# KiCad board FC_V5c.kicad_pcb (continued)
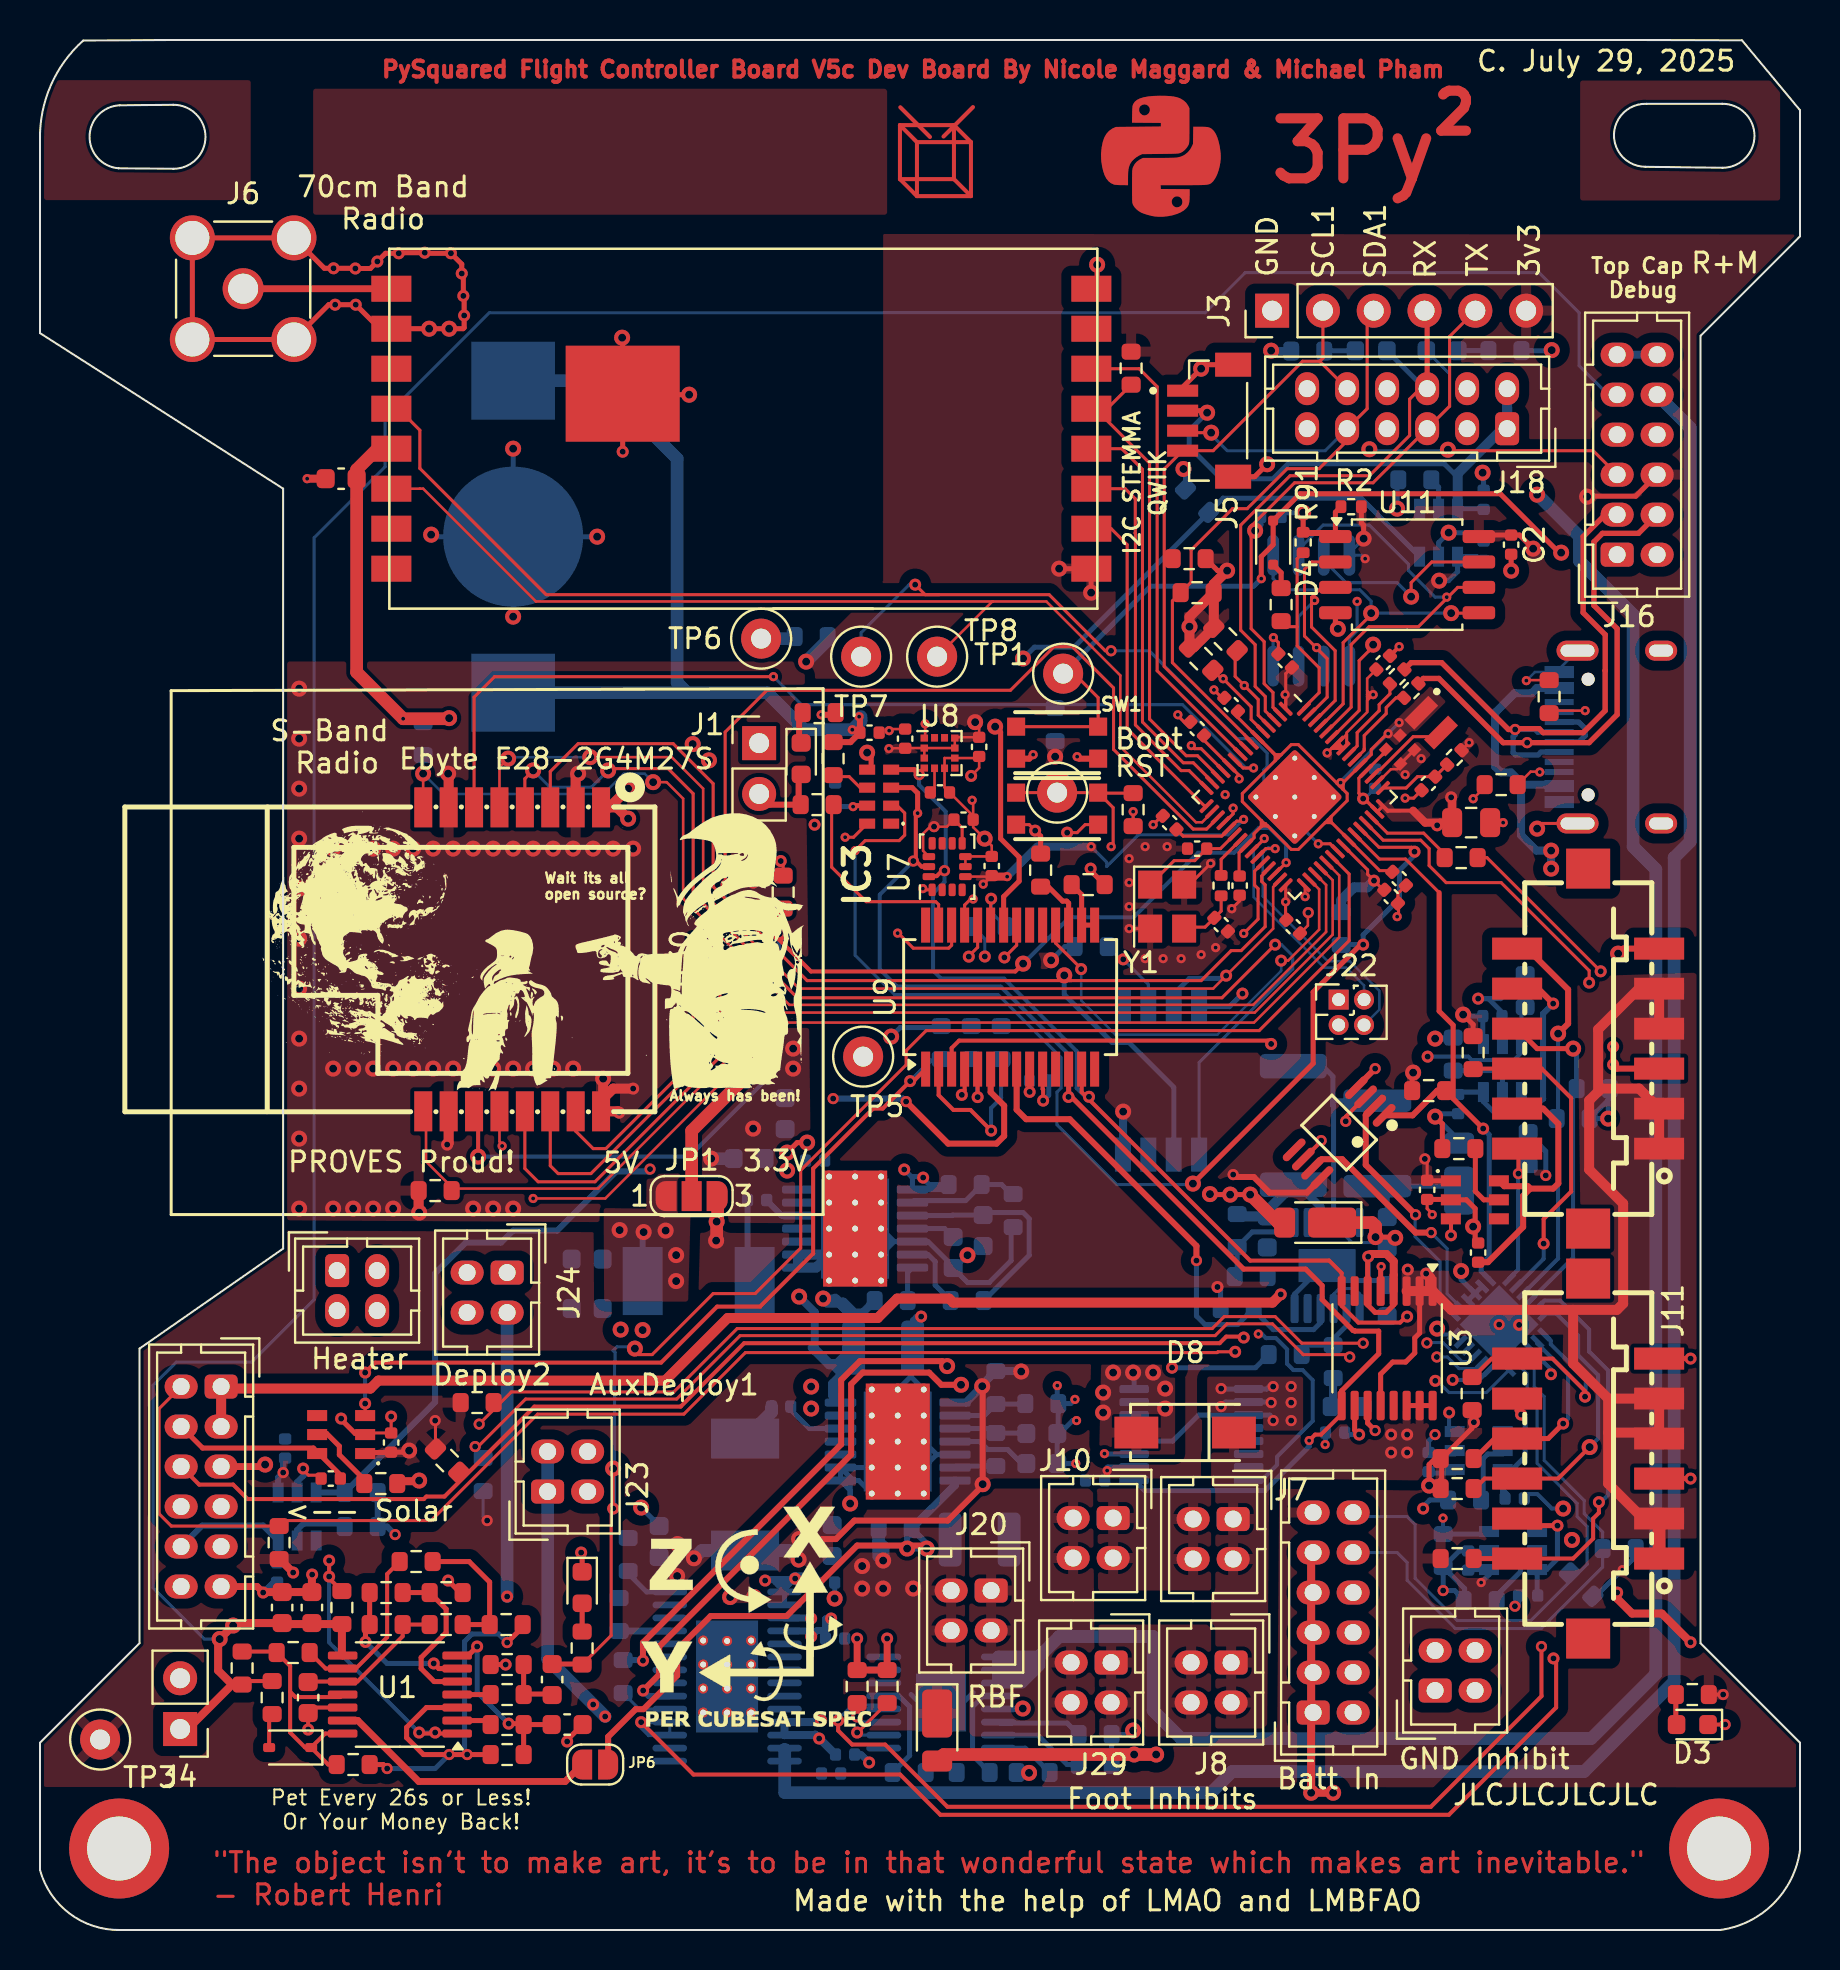
[diagram p0: board, top side]
## Routing (per net, layer and track width the routed paths; a pad name or vN(x,y) marks a point on that pad's centre or on a via; arc(x,y) is an arc through that point) (continued)
+1V1: length 38.6
  Top w0.152: 64.26,55.37 62.92,54.03 62.56,54.03 61.39,55.21 ; 64.26,55.37 64.41,55.52 ; 64.26,55.37 64.58,55.37 ; 61.06,55.17 61.21,55.33 ; 61.06,55.17 61.06,55.18 61.06,55.48 ; 61.06,55.17 61.09,55.21 61.39,55.21 ; 61.06,55.17 60.7,54.82 60.7,54.62 U18.23 59.95,53.87 59.95,52.73 ; 61.21,55.33 61.27,55.33 61.39,55.21 ; 61.21,55.33 61.06,55.48 ; 65.14,57.05 64.99,57.2 ; 65.14,57.05 65.16,57.07 65.16,57.37 ; 65.14,57.05 65.36,56.83 65.36,56.48 64.56,55.67 ; 64.99,57.2 64.84,57.35 ; 64.99,57.2 65.16,57.37 ; U18.6 61.76,58.77 61.76,58.47 ; U18.6 61.75,58.77 62.06,58.77 ; U18.6 59.9,60.63 C69.1 ; 62.06,58.77 61.91,58.62 ; 62.06,58.77 62.56,59.28 62.91,59.28 64.84,57.35 ; 64.56,55.37 64.56,55.67 ; 64.56,55.37 64.41,55.52 ; 64.56,55.37 64.58,55.37 ; 64.56,55.67 64.41,55.52 ; 64.84,57.35 64.86,57.37 65.16,57.37 ; 60.88,59.65 61.91,58.62 ; 61.91,58.62 61.76,58.47 ; 61.06,55.48 60.12,56.43 60.12,56.83 61.76,58.47 ; 65.16,57.37 66.02,58.23 ; v4(67.41,59.82) 67.32,59.74 67.27,59.74 66.56,59.03 66.56,58.78 U18.50 ; 67.56,52.97 66.98,52.97 U18.39 64.58,55.37
  Bottom w0.152: v4(65.03,57.37) 65.03,57.45 v4(67.41,59.82) v4(67.96,60.37)
+5V: length 15.1
  In2.Cu w0.25: v3(44.16,37.62) 44.03,37.62 43.88,37.77 43.47,37.77 v3(43.21,38.03)
  In2.Cu w0.635: TP5.1 41.16,42.18 43.21,40.12 v3(43.21,38.03)
  Bottom w0.25: 43.62,37.62 43.67,37.67 44.11,37.67 v3(44.16,37.62) 44.16,37.57 44.46,37.27 ; 43.62,37.62 U13.1 44.46,37.02 ; 43.62,37.62 v3(43.21,38.03) ; 44.46,37.27 R23.1 ; 44.46,37.27 44.46,37.02 ; 44.46,37.02 45.18,37.02
  Bottom w0.3: L5.2 30.13,34.85 v1(30.18,34.9)
  vias: v1(28.98,35) v1(29.03,30.02) v1(30.13,30) v1(31.28,34.97) v1(31.81,33.75) v1(31.81,32.45)
/Power Systems/3v3SW: length 2.1
  Bottom w0.635: L4.2 36.58,25.89 C27.1
/Power Systems/5vSW: length 4.2
  Bottom w0.3: C5.2 35.38,32.8 L5.1
/Power Systems/VBATT_SENSE: length 11
  Top w0.25: v1(60.51,36.77) v1(59.51,36.77) 58.52,36.77 v1(58.5,36.8)
  Top w0.635: v1(60.51,36.77) 61.91,35.37 D12.2
  Bottom w0.25: U26.16 54.71,27.82 v1(54.66,27.87)
  Bottom w0.4: 62.92,37.27 64.03,36.16 IC6.9
  Bottom w0.5: R75.1 61.37,35.97 C42.1 59.97,35.68
  vias: v1(53.16,26.87) v1(53.16,25.87) v1(53.66,27.87) v1(55.66,27.87) v1(56.26,27.07) v1(56.26,26.07)
GND: length 308.3
  Top w0.127: C33.2 42.54,60.05 v4(42.46,59.97) ; 67.89,58.05 67.55,58.05 66.86,57.36 ; v3(46.56,57.71) 46.96,58.11 C34.2 ; 46.28,53.68 C35.2 47.59,54.22 v1(47.23,54.57) 46.66,55.15 C32.2 46.66,56.44 v4(46.61,56.49) ; 45.23,58.6 U8.8 46.88,58.6 ; 45.23,58.61 U8.6 45.23,57.13 C31.2 46.66,55.7 ; 72.23,57.14 v4(71.66,56.57) ; 69.16,58.57 v4(69.06,58.57) ; C78.2 63.39,50.23 63.39,50.85 v2(63.41,50.87) ; U7.6 U7.7 ; R26.1 74.34,62.5 v4(74.32,62.48)
  Top w0.152: v4(68.26,56.6) 68.68,56.6 C68.2 ; v4(61.67,64.63) 61.92,64.38 C73.2 ; SW2.B' 49.46,55.27 v3(49.76,54.97) ; 67.93,51.27 67.93,50.74 v4(67.86,50.67) ; v3(13.16,23.07) 13.16,23.01 13.42,22.74 14.06,22.74 ; v3(17.56,25.67) C50.2 16.28,24.85 ; C67.2 67.9,51.83 C77.2 ; J12.S1 75.12,55.33 v1(74.86,55.07) ; 59.1,61.61 v4(58.7,62.01) ; v4(59.59,51.07) 59.98,51.46 C70.2 ; v3(51.36,54.87) 51.86,54.87 52.26,55.27 SW2.B ; 56.1,55.71 v4(55.66,55.27) ; C38.2 69.36,36.07 69.61,35.82 v4(69.61,35.77) ; C65.2 C66.2 ; Y1.2 v4(54.46,50.07) ; C72.2 57.2,60.41 56.89,60.72 v4(56.89,60.77) ; 57.73,52.35 57.73,52.54 v4(58.53,53.34)
  Top w0.2: v3(13.41,10.02) C24.1 ; v3(50.16,41.47) 50.16,42.02 50.13,42.05 U9.10 ; C74.2 v4(67.96,64.17) ; 13.68,11.12 U1.12 ; v2(84.26,10.27) D3.1
  Top w0.25: v3(52.53,53.07) 52.53,52.97 R24.1 ; C44.2 71.76,34.5 71.76,35.07 v1(71.66,35.17) 71.76,35.27 71.76,36.07 71.32,36.51 70.54,36.51 ; 21.01,16.87 v3(20.41,17.47) ; v1(64.89,65.07) 64.89,65.26 64.77,65.39 U11.4 ; v1(52.86,83.27) 52.86,82.36 ; J5.S2 60.74,72.67 v1(61.36,73.3) ; C21.1 26.36,9.5 v3(26.36,9.42) ; J11.11 v3(82.53,28.57) ; 29.09,76.77 v1(32.46,76.77) ; R52.1 50.03,54.7 v3(49.76,54.97) ; v1(41.36,58.87) 41.56,58.67 41.56,58.02 ; C2.2 v1(73.56,67.97) ; 16.26,24.83 15.76,24.83 15.06,25.53 v3(15.06,25.57) ; v3(66.41,33.67) 66.38,33.65 U3.6 66.38,31.26 66.75,30.89 67.31,30.89 67.68,31.26 U3.4 ; 70.12,38.91 70.12,40.31 v1(69.76,40.67) ; R22.2 v3(23.28,13.27) ; 69.24,36.53 70.52,36.53 ; 16.99,80.07 v3(15.79,81.27) v3(14.76,81.27) 14.44,81.27 J6.2 J6.2 J6.2 J6.2 14.22,83.09 v3(14.68,83.09) 15.76,83.09 v3(15.77,83.08) 16.52,83.08 v3(16.87,83.43) 17.28,83.84 v3(17.94,83.84) 17.97,83.87 v3(19.24,83.87) 19.27,83.84 v3(20.55,83.84) 21.09,83.3 v3(21.09,82.83) 21.17,82.75 v3(21.17,81.71) 21.21,81.67 v3(21.21,80.73) 21.21,80.12 21.16,80.07 v1(20.46,80.07) v1(19.46,80.07) 17.57,80.07 ; D6.1 27.11,18.82 v3(27.06,18.87) ; U3.11 66.38,25.35 v2(66.76,24.97) ; 57.13,77.15 v1(58.06,78.07) 58.26,78.27 J5.S1 ; v1(29.11,79.62) 29.13,79.6 U4.17 v3(29.13,73.92) ; J11.5 v3(82.53,22.57)
  Top w0.3: v2(66.76,43.07) 65.82,42.14 U14.4 ; v4(49.66,58.77) 49.46,58.57 SW1.B' ; SW1.B 51.96,58.57 v4(51.86,58.67) ; J2.11 79.16,49.07 v1(78.91,48.82) ; J2.5 78.86,43.07 v3(78.66,43.27) v3(78.66,44.17) ; v4(39.06,60.77) 39.68,60.77 R12.2
  Top w0.342: v3(42.36,14.57) 42.36,13 40.86,13 v3(40.86,14.57) ; J17.11 10.86,17.17 v3(11.16,16.87) ; v1(11.26,23.27) 11.16,23.17 J17.5
  Top w0.4: v3(66.41,33.67) 66.54,33.81 67.32,33.81 67.69,33.44 67.69,32.75 67.68,32.75 U3.4 ; v3(82.53,14.39) 81.09,15.82 79.61,15.82 78.86,16.57 78.86,16.87 v3(78.86,16.87) ; v4(73.16,55.37) C75.2 ; 17.86,22.44 18.92,22.44 v1(18.96,22.47) ; v3(11.16,16.87) 11.18,16.9 C23.1 C22.1 13.59,17.76 v3(13.61,17.77) ; C14.1 v4(13.36,72.57)
  Top w0.5: v1(18.96,35.87) 18.93,35.9 R95.2 ; v1(26.91,57.82) 26.78,57.7 U30.2 ; v1(20.41,57.82) 20.43,57.8 U30.7 ; U30.10 20.43,39.35 v3(20.36,39.27) ; 28.05,41.47 28.66,42.07 v3(29.66,42.07) ; v3(28.96,40.87) 28.89,40.94 U30.16 ; v1(28.16,42.57) 28.16,41.04
  In1.Cu w0.152: U18.61 59.38,56.66 v4(59.26,56.77)
  In1.Cu w0.4: U18.61 62.66,56.73 59.3,56.73 v4(59.26,56.77) ; U18.61 61.37,55.68 59.02,53.34 v4(58.53,53.34)
  Bottom w0.127: 75.96,63.06 J12.S1 ; J12.A1 74.75,62.9 v4(74.32,62.48)
  Bottom w0.152: 61.66,63.6 U5.4 61.66,64.62 v4(61.67,64.63)
  Bottom w0.2: v1(76.16,21.07) 75.59,21.07 74.87,21.8 74.21,21.8 ; 73.31,30.27 U12.9 75.55,28.04 v3(75.55,27.79)
  Bottom w0.25: BT1.3 19.66,69.67 v1(19.56,69.77) ; BT1.3 v1(27.86,69.67) ; BT1.3 v1(23.66,65.67) ; BT1.3 v1(23.66,74.07) ; v1(39.73,16.57) 39.74,16.58 C58.2 ; C15.1 30.96,20.22 v1(30.06,21.12) ; U10.5 44.84,23.77 ; 44.84,23.77 U10.15 ; 44.84,23.77 U10.15 ; U10.8 40.94,22.47 U10.15 ; U10.8 U10.9 ; U10.8 40.51,21.99 v1(40.51,21.33) 40.51,22.64 U10.9 ; v1(49.45,7.86) 49.43,7.87 R55.2 ; U10.9 U10.15 ; v3(44.06,30.67) 43.81,30.67 43.63,30.5 C19.2 ; v3(60.12,46.83) 59.47,46.17 U2.4 ; 70.73,23.8 69.51,23.8 ; U13.5 41.41,34.42 ; U13.5 42.71,34.42 ; U13.5 44.41,34.42 45.66,33.17 ; 48.56,35.15 48.56,33.47 47.46,32.37 46.38,32.37 C9.1 ; U10.15 43.56,27.65 43.56,29.12 43.56,27.7 U10.15 ; IC6.6 62.73,31.8 64.16,33.22 ; v4(51.75,26.53) 51.54,26.32 R40.1 50.91,24.87 ; v1(54.66,9.97) 54.46,9.77 R85.1 R82.1 ; 78.76,48.97 v1(78.91,48.82) ; 42.71,34.42 U13.15 ; 42.71,34.42 U13.15 ; v4(53.22,23.82) 53.24,23.8 54.71,23.8 ; v4(50.86,27.22) 50.86,26.37 ; v1(72.13,72.87) 72.18,72.82 C80.2 ; C79.2 71.76,69.87 v1(70.43,69.87) 69.93,69.37 U29.2 ; 73.12,45.68 73.12,44.3 ; R76.1 70.96,18.95 C49.2 72.44,18.95 ; R76.1 71.23,17.07 71.23,16.47 70.73,16.97 v2(70.16,16.97) R76.1 ; v4(51.79,23.32) C36.2 C37.2 ; C39.2 50.44,41.74 50.17,41.47 v3(50.16,41.47) ; R79.1 57.27,72.96 v1(57.17,73.06) ; v4(64.26,24.27) 64.28,24.29 C29.1 ; C47.2 73.1,45.89 72.42,46.57 v3(71.91,46.57) 73.03,46.57 74.26,47.8 ; v2(73.75,16.19) 73.87,16.19 73.93,16.24 C51.2 ; R4.2 75.56,78.97 v1(75.58,79) ; v3(66.41,33.67) 66.41,32.53 66.36,32.48 ; R69.1 60.78,28.12 v3(56.6,28.12) ; 70.96,39.47 v1(69.76,40.67) 69.9,40.82 71.02,40.82 ; v1(67.86,71.07) 67.86,72.46 ; 45.38,45.12 43.01,45.12 v1(42.56,44.67) ; IC6.13 65.1,32.48 66.36,32.48 ; v4(51.83,25.47) 51.63,25.47 50.98,24.82 ; v2(69.75,24.77) 69.43,24.45 C53.2 ; 66.36,32.48 67.13,32.48 C40.2 ; v3(69.16,21.07) 69.16,21.17 69.48,21.5 R49.1 ; 45.73,33.1 v1(46.37,33.74)
  Bottom w0.3: v3(11.16,16.87) 11.68,17.39 C60.2 ; v3(13.16,23.07) 13.18,23.05 13.18,22.73 12.86,22.4 U27.2 ; v1(69.76,44.57) 70.67,44.57 ; v2(17.76,19.77) 17.36,20.17 R86.1 R87.1
  Bottom w0.342: v3(41.46,8.37) 41.06,8.77 C56.2
  Bottom w0.4: J16.11 J16.12 ; v1(61.56,78.97) 61.58,78.95 R3.2
  Bottom w0.5: U13.15 38.81,33.12 U13.8 U13.9 U13.15
  Bottom w0.635: C3.2 v1(33.56,38.57)
  vias: v1(12.96,62.07) v1(12.96,59.57) v1(12.96,57.07) v1(12.96,54.57) v1(12.96,52.07) v1(12.96,49.57) v1(12.96,47.07) v1(12.96,44.57) v1(12.96,42.07) v1(12.96,39.57) v1(12.96,36.07) v1(14.66,54.07) v1(14.66,43.07) v1(14.66,36.07) v1(15.66,54.07) v1(15.66,43.07) v1(15.66,36.07) v1(16.66,54.07) v1(16.66,43.07) v1(16.66,36.07) v1(17.66,54.07) v1(17.66,43.07) v1(17.66,36.07) v1(18.66,54.07) v1(18.66,43.07) v1(19.66,54.07) v1(19.66,43.07) v1(20.66,54.07) v1(20.66,43.07) v1(21.66,54.07) v1(21.66,43.07) v1(21.66,36.07) v1(22.66,54.07) v1(22.66,43.07) v1(22.66,36.07) v1(23.66,54.07) v1(23.66,43.07) v1(23.66,36.07) v1(24.66,54.07) v1(24.66,43.07) v1(25.66,54.07) v1(25.66,43.07) v1(26.66,54.07) v1(26.66,43.07) v1(27.66,54.07) v1(28.66,54.07) v1(29.66,54.07) v1(35.66,40.07) v1(37.66,44.07) v1(37.66,43.07) v1(76.6,19.5) v2(72.96,30.27) v3(35.66,54.97) v3(35.66,53.57) v3(35.66,52.37) v3(38.73,55.27) v3(73.96,30.26) v4(54.46,53.57) v4(54.46,52.37) v4(54.46,51.17) v4(55.26,54.17) v4(55.26,48.57) v4(56.16,48.57) v4(56.36,54.17) v4(57.06,48.57) v4(58.06,48.77) v4(58.78,49.12) v4(68.26,57.77)
VBUS: length 93.4
  Top w0.635: D15.2 45.18,8.77 v1(55.81,8.77)
  In2.Cu w0.635: v1(75.56,53.97) 75.56,48.12 77.12,46.56 77.8,46.56 79.76,44.59 79.76,38.17 78.76,37.17 78.76,20.08 74.28,15.59 74.28,12.29 70.76,8.77 v1(55.81,8.77) v1(54.71,8.77)
  Bottom w0.4: v1(75.56,53.07) v1(75.56,53.97) 74.82,53.97 74.06,54.74 74.06,57.17 74.16,57.27 ; J12.A4 74.84,62.1 74.58,61.85 73.73,61.85 72.76,60.87 72.76,58.17 73.05,57.88 73.55,57.88 74.16,57.27 ; 74.16,57.27 75.89,57.27
VBUSP: length 103.6
  Top w0.25: v1(38.36,39.37) 37.86,39.37 v1(37.36,38.87) ; R30.1 v2(20.46,8.77) 19.17,8.77 18.33,9.62 18.33,10.13 19.32,11.12 U1.3 ; v2(23.36,14.37) 24.13,15.15 R16.1 ; R36.2 17.16,8.27 v2(17.36,8.07)
  In2.Cu w0.4: 37.96,31.67 38.05,31.57 v1(39.16,31.57)
  In2.Cu w0.5: 40.91,19.32 40.46,19.77 40.46,20.07 39.66,20.87 39.66,29.87 ; 40.91,19.32 40.96,19.27 40.96,18.87 41.11,18.72 v1(41.11,18.2) 41.68,18.77 41.86,18.77 v1(42.16,18.47) ; 40.91,19.32 40.96,19.37 ; 39.66,29.87 39.96,30.17 39.96,30.77 v1(39.16,31.57) ; 39.66,29.87 39.66,29.97 37.96,31.67 v1(37.96,31.67) 37.95,31.67 37.36,32.27 v1(37.36,38.87)
  In2.Cu w0.635: J20.4 42.76,12.17 42.76,8.52 41.8,7.56 36.08,7.56 35.96,7.67 22.46,7.67 v2(21.36,8.77)
  Bottom w0.25: 43.96,11.37 43.56,11.77 ; v2(23.36,14.37) 22.93,14.8 21.6,14.8 21.23,14.43 21.23,8.9 v2(21.36,8.77) v2(20.46,8.77) 19.76,8.07 v2(17.36,8.07) ; 46.16,11.37 46.66,11.87
  Bottom w0.4: v1(39.16,31.57) 39.76,31.57 40.46,30.87 41.13,30.87 R125.1 ; v1(37.96,31.67) 38.74,30.89 38.74,29.23
  Bottom w0.5: 40.03,27.68 39.66,27.31 39.66,26.74 U10.14 ; 40.03,27.68 40.03,27.92 39.66,28.29 ; 40.03,27.68 40.66,28.31 40.66,30.67 39.76,31.57 ; 38.63,29.12 39.47,28.29 39.66,28.29 ; 39.66,28.29 39.85,28.29 C19.1 40.68,30.85 40.16,31.37 39.36,31.37 v1(39.16,31.57)
  Bottom w0.635: v1(42.16,18.47) 42.16,19.15 41.93,19.37 ; 41.93,19.37 R124.1 ; 41.93,19.37 41.93,18.7
  vias: v1(37.36,37.97) v1(38.56,27.17) v1(38.56,26.07) v1(41.11,17.07) v1(42.16,17.07) v1(43.66,17.07)
/Power Systems/Load Switches/Deploy1_EN: length 102.8
  Top w0.152: R104.1 72.35,53.62 v3(78.03,47.94)
  Top w0.2: v3(30.06,10.39) 32.68,7.77 43.01,7.77 45.02,5.76 70.44,5.76 75.81,11.12 75.81,13.45 v3(75.67,13.58)
  In2.Cu w0.152: v3(78.03,47.94) 81.26,44.72 81.26,38.08 80.18,37 80.18,19.8 75.81,15.42 75.81,13.71 v3(75.67,13.58)
  Bottom w0.152: U6.4 U6.3
  Bottom w0.2: 31.48,10.39 v3(30.06,10.39) 30.06,10.12 30.44,9.74 U6.3
/Power Systems/Load Switches/Deploy2_EN: length 52.9
  Top w0.3: v3(30.16,11.97) 30.96,12.77 30.96,14.17 40.56,23.77 40.56,27.3 41.14,27.87 44.46,27.87 45.07,27.26 v1(46.05,27.26)
  In2.Cu w0.152: v3(47.24,48.68) 47.24,48.69 46.68,49.25 46.2,49.25 45.1,48.15 45.1,38.83 45.51,38.42 45.51,33.37 46.05,32.83 v1(46.05,27.26)
  Bottom w0.152: v3(47.24,48.68) 47.24,49.57 R103.1
  Bottom w0.3: U6.6 30.44,11.69 v3(30.16,11.97)
/Power Systems/Load Switches/Heater_EN: length 2.7
  Bottom w0.152: R100.1 29.96,11.04 U6.5
/Power Systems/Load Switches/ILIM1: length 5.2
  Bottom w0.25: U25.5 42.94,11.7 43.48,11.17 43.48,8.72 R84.2
/Power Systems/Load Switches/ILIM2: length 5.2
  Bottom w0.25: R83.2 46.63,8.72 46.63,11.17 47.17,11.7 U25.12
/Power Systems/V_SYS: length 4.4
  Top w0.25: U3.16 68.33,26.22
  Top w0.4: 67.63,24.7 v3(67.56,24.77)
  Bottom w0.152: IC6.1 65.98,31.82 65.72,32.07 64.96,32.07 64.68,31.8 IC6.3
  vias: v3(67.56,23.87) v3(68.36,24.77) v3(68.36,23.87)
/RF1_ANT: length 7.4
  Top w0.342: U4.1 10.16,82.07
/RP2350AHHHHHHHHH/FLASH_SS: length 5.4
  Top w0.25: U11.1 64.77,70.9 R2.2 ; R91.2 v1(63.16,70.87)
  Top w0.3: 64.96,69.86 63.28,69.86
  Bottom w0.25: v1(63.16,70.87) 62.27,70.87 R9.2
/RP2350AHHHHHHHHH/PSRAM_CS: length 17.1
  Top w0.152: U18.12 58.06,59.07 57.72,59.07 v4(57.56,59.23)
  In2.Cu w0.152: v4(57.56,59.23) 58.21,59.23 63.68,64.69 63.68,65.25 64.86,66.44 v4(65.86,66.44)
  Bottom w0.152: v4(65.86,66.44) 65.86,64.97 65.46,64.57 65.47,64.56 U5.1
/RP2350AHHHHHHHHH/QSPI_SCLK: length 22.3
  Top w0.152: U11.6 70.89,67.14 68.92,65.17 66.46,65.17 65.56,64.27 65.56,61.15 64.31,59.9
  Bottom w0.152: U5.6 62.93,69.02 64.16,70.25 66.46,70.25 68.43,68.29 68.43,67.98 69.75,66.65 v4(70.34,66.65)
/RP2350AHHHHHHHHH/QSPI_SD0: length 19.2
  Top w0.152: 64.03,60.19 65.16,61.31 65.16,64.37 66.56,65.77 v1(66.56,65.85) ; v1(70.56,65.85) 71.93,65.85
  Bottom w0.152: v1(70.56,65.85) v1(66.56,65.85) 66.56,66.45 65.99,67.02 62.21,67.02 61.66,67.57 U5.5
/RP2350AHHHHHHHHH/QSPI_SD1: length 10.9
  Top w0.152: 63.46,60.75 64.36,61.65 64.36,63.57 63.22,64.71 63.22,68.04 63.59,68.41 U11.2
  Bottom w0.152: v4(63.83,64.13) 64.19,63.77 U5.2
/RP2350AHHHHHHHHH/QSPI_SD2: length 11.6
  Top w0.152: 63.59,66.64 63.59,66.62 v4(63.73,66.48) ; 63.59,66.64 64.09,67.14 ; 63.59,66.64 63.58,66.63 63.58,65.15 64.76,63.97 64.76,61.48 63.74,60.47
  Bottom w0.152: U5.3 62.93,65.68 v4(63.73,66.48)
/RP2350AHHHHHHHHH/QSPI_SD3: length 18.6
  Top w0.152: U11.7 69.59,68.41 68.56,67.37 v1(68.56,66.67) ; v1(66.66,64.27) 66.43,64.05 66.43,63.95 65.96,63.47 65.96,60.98 64.59,59.62
  In2.Cu w0.152: v1(68.56,66.67) 68.56,66.17 v1(66.66,64.27)
  Bottom w0.152: v1(68.56,66.67) 67.86,67.37 65.3,67.37 64.19,68.49 U5.7
/RP2350AHHHHHHHHH/VREG_AVDD: length 3.7
  Top w0.152: U18.46 68.31,57.11 68.87,57.67 C68.1 R94.2
/RP2350AHHHHHHHHH/VREG_LX: length 4.1
  Top w0.152: 69.85,59.67 68.66,59.67 67.01,58.03 66.94,58.03 U18.48
/RP2350AHHHHHHHHH/XIN: length 5
  Top w0.152: U18.21 59.03,54.07 C63.1 57.74,53.47 56.71,53.47 56.03,52.8 56.03,52.35
/RP2350AHHHHHHHHH/XOUT: length 2.2
  Top w0.152: U18.22 59.06,53.54 R93.1
/Watchdog Circuit/WDT-VP: length 8.1
  Top w0.25: U1.5 19.71,12.42 19.06,13.07 19.06,13.62 20.31,14.87 20.31,16.05 19.48,16.87 R19.2
BATT_SCL: length 28.2
  Bottom w0.152: U12.11 74.36,27.81 74.36,26.97 74.86,26.47 74.86,23.33 76.86,21.33 76.86,20.67 77.36,20.17 77.36,18.29 74.54,15.47 70.87,15.47 68.76,17.59 68.76,20.27 68.36,20.67 65.86,20.67 J14.12
BATT_SDA: length 28.1
  Bottom w0.152: J14.10 67.86,18.87 68.36,18.37 68.36,17.49 70.77,15.07 75.06,15.07 78.13,18.15 78.13,19.9 77.21,20.82 77.21,21.48 75.21,23.48 75.21,26.67 74.71,27.17 74.71,28.17 U12.10
BOOTSEL: length 9.2
  Top w0.152: 62.86,65.17 62.86,68.57 R91.1 ; 62.86,65.17 62.33,65.17 ; 62.86,65.17 62.86,64.22 63.96,63.12 63.96,61.87 63.19,61.11 U18.60
DEPLOY1: length 114.3
  Bottom w0.635: 37.23,9.03 37.24,9.03 37.24,6.87 58.56,6.87 59.61,7.92 77.21,7.92 81.71,12.43 81.71,53.63 82.51,54.43 82.51,75.12 J16.10
DEPLOY1_AUX: length 33.1
  In2.Cu w0.4: v3(38.96,9.57) 38.96,10.37 v3(39.06,10.47)
  In2.Cu w0.635: v3(27.66,11.27) 29.36,9.57 v3(38.96,9.57)
  Bottom w0.4: 38.76,9.77 v3(38.96,9.57) ; v3(38.96,9.57) 38.79,9.74 U6.26 U6.25 38.74,10.39 38.82,10.47 v3(39.06,10.47) ; v3(38.96,9.57) 38.98,9.57 C56.1
  Bottom w0.635: v3(28.26,10.67) v3(27.66,11.27) 25.38,13.55 J23.3
DEPLOY2: length 39.8
  In2.Cu w0.342: v3(39.56,15.57) v3(38.56,15.57) v3(38.56,14.67)
  In2.Cu w0.635: J24.1 J24.3 ; v3(23.36,16.67) 24.36,15.67 39.46,15.67 v3(39.56,15.57)
  Bottom w0.342: C57.1 39.28,14.97 ; 39.28,14.97 39.28,15.55 39.3,15.57 v3(39.56,15.57) ; 39.28,14.97 38.86,14.97 v3(38.56,14.67) 38.56,14.93 38.54,14.95 U6.18 ; v3(38.56,15.57) 38.53,15.6 U6.17
  Bottom w0.635: v3(23.36,16.67) J24.3
Dir_Chrg_In: length 107.6
  Top w0.4: v1(64.66,6.86) v1(63.56,6.86) 63.56,18.77 J14.9
  In2.Cu w0.4: v1(63.56,6.86) 69.95,6.86 80.66,17.57 80.66,36.81 81.84,37.99 81.84,52.97 79.81,55.01 79.81,65.42 82.08,67.7 82.08,73.55 J16.8
  Bottom w0.25: v2(61.66,27.17) 61.46,27.17 61.33,27.05 U26.1 59.18,27.05 59.16,27.07 v2(59.06,27.07) ; v2(61.56,26.37) 61.53,26.4 U26.2 59.28,26.4 v2(59.06,26.17) ; v2(61.66,25.47) 61.66,25.57 61.48,25.75 U26.3 57.93,25.75 56.63,24.45 U26.12
  vias: v2(62.56,27.17) v2(62.56,26.37) v2(62.56,25.47)
ENABLE_Heater: length 51.7
  Top w0.152: 48.83,50.25 48.83,49.24 v3(48.22,48.63)
  Top w0.3: v1(45.36,28.2) 45.11,28.45 41,28.45 40.06,27.5 40.06,24.28 30.15,14.37 v3(30.15,13.47)
  In2.Cu w0.152: v1(45.36,28.2) 45.36,32.77 44.98,33.15 44.98,38.45 44.71,38.72 44.71,48.42 45.89,49.6 47.25,49.6 v3(48.22,48.63)
  Bottom w0.3: v3(30.15,13.47) 30.12,13.5 29.16,13.5
F0_PWR: length 13.6
  Top w0.3: 74.51,37.07 75.66,37.07 75.92,37.33 75.92,40.31 75.16,41.07 J2.4 ; 74.51,37.07 74.39,37.19 73.21,37.19 U19.6 ; 74.51,37.07 74.16,36.72 74.16,35.15 72.4,33.39 C44.1
F0_SCL: length 16
  Top w0.2: v3(75.18,34.32) 75.18,35.55 76.56,36.93 76.56,41.6 75.08,43.07 J2.6 71.68,43.07
  Bottom w0.2: v3(75.18,34.32) 75.18,33.56 U12.2
F0_SDA: length 7.9
  Top w0.2: v2(73.92,37.82) 73.92,39.01
  Bottom w0.2: v2(73.92,37.82) 73.92,37.99 73.99,38.06 74.41,38.06 ; R62.1 73.91,37.75 73.91,33.02 73.45,32.57
F1_PWR: length 11.7
  Top w0.3: 74.91,47.07 v3(75.66,46.32)
  Bottom w0.152: U21.6 72.17,41.46
  Bottom w0.25: 72.17,41.9 71.14,41.9 71.02,41.78 ; U21.6 72.17,41.42 72.74,40.85 74.45,40.85 75.16,41.56
  Bottom w0.3: 75.16,41.56 75.16,45.82 v3(75.66,46.32)
F1_SCL: length 16.6
  Top w0.25: v1(76.66,44.07) 74.86,44.07 J2.8
  Bottom w0.2: 76.66,41.9 76.66,33.62 U12.4
  Bottom w0.25: R45.1 76.83,43.9 v1(76.66,44.07)
F1_SDA: length 19
  Top w0.3: v1(75.91,44.82) 76.41,45.32 76.41,47.03 74.36,49.07
  Bottom w0.2: U12.3 75.91,33.58 v1(75.91,44.82)
F2_PWR: length 5.8
  Top w0.25: v3(75.87,20.22) 74.21,20.22
  Bottom w0.25: v3(75.87,20.22) 75.87,18.56 75.33,18.02 U22.6 74.86,16.75
F2_SCL: length 14.9
  Top w0.2: v1(77.48,24.15) 75.91,22.57 J11.6 72.23,22.57 71.73,22.07
  Bottom w0.2: 75.28,30.82 75.81,30.82 76.91,29.72 76.91,28.75 77.91,27.75 77.91,24.57 v1(77.48,24.15)
F2_SDA: length 20.9
  Top w0.2: J11.2 76.66,18.57 77.66,19.57 77.66,20.57 77.94,20.86 v3(77.94,21.39)
  Top w0.25: 71.73,18.57 J11.2
  Bottom w0.2: v3(77.94,21.39) 78.04,21.39 78.41,21.76 78.41,27.97 77.46,28.92 77.46,30.02 76.01,31.48 75.22,31.48 U12.5
F3_PWR: length 5.9
  Top w0.25: v3(74.06,25.77) 73.86,25.97 J11.10
  Bottom w0.25: 73.13,22.02 73.35,21.8 ; 73.25,21.8 73.13,21.92 73.13,22.85 73.43,22.85 74.26,23.67 74.26,25.57 v3(74.06,25.77)
F3_SCL: length 8.9
  Top w0.25: J11.8 75.41,24.57 v3(76.16,25.32) ; 72.73,24.57 71.73,23.57
  Bottom w0.2: v3(76.16,25.32) 76.41,25.57 76.41,27.78 74.87,29.32 U12.8
F3_SDA: length 10.9
  Top w0.2: 71.66,27.65 72.58,28.57 J11.12 75.63,28.57 77.25,26.95 v3(77.25,26.67)
  Bottom w0.2: U12.7 75.54,29.46 75.54,29.29 77.29,27.55 77.29,26.7 v3(77.25,26.67)
F4_PWR: length 9
  Top w0.25: 15.02,22.75 13.67,24.1 8.13,24.1 J17.4
F4_SCL: length 70.6
  Top w0.2: v3(60.19,29.63) 60.14,29.67 59.31,29.67 58.98,29.34 35.21,29.34 32.04,26.17 24.72,26.17 20.22,21.67 19.32,21.67 19.19,21.55 10.38,21.55 9.66,22.27 7.96,22.27 J17.6
  In2.Cu w0.2: v3(60.19,29.63) 60.54,29.27 63.96,29.27 65.16,28.07 70.06,28.07 70.62,27.51 v3(70.63,27.51)
  Bottom w0.2: U12.13 71.96,27.51 v3(70.63,27.51) 70.63,27.5
F4_SDA: length 79.5
  Top w0.152: v3(59.76,28.91) 58.9,28.91 58.86,28.87 35.27,28.87 32.19,25.8 24.88,25.8 19.56,20.47 12.23,20.47 R58.1 6.57,20.2 5.95,20.81 5.95,26.07 J17.2
  In2.Cu w0.152: v3(59.76,28.91) 59.98,28.69 63.9,28.69 65,27.59 69.64,27.59 v3(69.77,27.46)
  Bottom w0.152: v3(69.77,27.46) 69.87,27.46 69.88,27.45 69.88,27.44 70.22,27.1 70.23,27.1 70.45,26.87 72.32,26.87 U12.12
F5_PWR: length 6.7
  Bottom w0.3: J17.10 8.11,20.22 11.16,20.22 U27.6 11.91,18.4 C60.1
F5_SCL: length 75.2
  Top w0.152: v2(66.16,29.34) 63.09,29.34 61.76,30.67 59.21,30.67 58.61,30.08 34.86,30.08 31.69,26.91 23.57,26.91 v2(21.96,25.3)
  In2.Cu w0.152: J17.12 7.93,16.3 17.38,16.3 22.31,21.23 22.31,24.94 v2(21.96,25.3) ; v2(66.16,29.34) 66.56,29.34 66.85,29.05 69.04,29.05 v2(69.34,29.36)
  Bottom w0.152: U12.15 71.46,28.43 71.1,28.43 70.15,29.37 69.36,29.37 v2(69.34,29.36)
F5_SDA: length 79.3
  Top w0.152: v2(21.76,24.17) 21.9,24.17 24.28,26.55 31.83,26.55 35,29.72 58.76,29.72 59.35,30.31 61.62,30.31 63.16,28.77 65.37,28.77 v2(65.49,28.65)
  In2.Cu w0.152: v2(21.76,24.17) 21.76,21.17 17.36,16.77 12.56,16.77 11.16,18.17 6.36,18.17 5.76,18.77 5.76,19.87 J17.8 ; v2(69.84,28.65) v2(65.49,28.65)
  Bottom w0.152: v2(69.84,28.65) 70.37,28.65 70.95,28.07 71.82,28.07 U12.14 ; R73.1 22.16,23.77 v2(21.76,24.17)
FACE0_ENABLE: length 36.5
  Top w0.2: v3(47.56,39.97) 46.52,41.01 45.67,41.01 44.93,41.75 U9.2 ; v3(70.55,34.74) 70.55,35.55
  In2.Cu w0.2: v3(70.55,34.74) 70.55,35.63 69.68,36.51 68.7,36.51 67.76,35.57 51.67,35.57 48.94,38.3 48.07,38.3 47.46,38.92 47.46,39.87 v3(47.56,39.97)
  Bottom w0.2: R67.2 48.06,41.61 47.56,41.11 v3(47.56,39.97)
FACE1_ENABLE: length 32.3
  Top w0.2: U9.3 45.58,44.1 45.95,44.47 61.39,44.47 v3(61.56,44.31)
  In2.Cu w0.2: v3(69.38,43.67) 62.22,43.67 61.59,44.31 v3(61.56,44.31)
  Bottom w0.2: v3(69.38,43.67) 71.42,43.67 71.59,43.5 73.7,43.5 74.07,43.87 74.07,45.96
FACE2_ENABLE: length 42.2
  Top w0.2: v3(46.09,41.76) 46.09,41.86 46.23,42.01 U9.4
  In2.Cu w0.2: v4(70.15,20.6) 70.56,21 70.56,24.92 68.81,26.67 64.26,26.67 63.16,27.78 57.79,27.78 52.64,32.93 52.64,33.47 48.6,37.5 47.58,37.5 46.36,38.72 46.36,41.24 46.09,41.51 v3(46.09,41.76)
  Bottom w0.2: v4(70.15,20.6) 70.15,19.81
  Bottom w0.25: 70.16,19.8 72.33,19.8
FACE3_ENABLE: length 36.3
  Top w0.2: U9.5 v3(46.88,41.65)
  In2.Cu w0.2: v3(46.88,41.65) 46.86,41.62 46.86,38.95 47.91,37.9 48.77,37.9 52.62,34.05 53.5,34.05 54.31,33.25 54.31,32.52 58.52,28.31 63.74,28.31 64.98,27.07 69.26,27.07 v3(70.46,25.87)
  Bottom w0.2: v3(70.46,25.87) 70.46,25.02 ; 46.86,43.5 46.86,41.67 v3(46.88,41.65)
FACE4_ENABLE: length 41.2
  Top w0.152: v3(16.26,26.32) 16.26,25.78
  Top w0.2: U9.1 43.68,42.45 v3(43.51,42.45) 42.13,41.07 41.65,41.07 38.66,38.08 38.66,33.82 36.01,31.17 33.86,31.17 31.06,28.37 16.76,28.37 v3(16.26,27.87)
  Bottom w0.2: 45.38,43.47 44.53,43.47 v3(43.51,42.45) ; v3(16.26,27.87) v3(16.26,26.32)
FACE5_ENABLE: length 51.8
  Top w0.3: U9.6 47.53,41.9 48.21,41.22 48.21,39.7 47.83,39.32 45.41,39.32 v2(43.3,41.43)
  In2.Cu w0.3: v2(30.5,38.05) 30.5,39.32 32.76,41.57 v2(39.66,41.57)
  Bottom w0.3: v2(30.5,38.05) 30.39,37.93 28.82,37.93 25.86,34.97 23.66,34.97 23.06,34.37 21.29,34.37 19.76,32.84 19.76,26.4 R87.2 U27.3 ; v2(39.66,41.57) 43.16,41.57 v2(43.3,41.43)
FC_RESET: length 57.1
  Top w0.152: U18.26 60.73,52.95 60.73,52.25 60.9,52.07 60.9,50.55 v4(60.19,49.83) ; v4(53.56,54.17) 53.66,54.27 53.66,56.12 SW2.A SW2.A' ; R1.2 52.93,56.85
  In2.Cu w0.152: v4(53.56,54.17) 53.56,53.67 54.21,53.02 54.55,53.02 57.4,50.17 59.85,50.17 v4(60.19,49.83) 60.26,49.76 60.26,48.87 62.61,46.52 J22.1 ; J16.2 80.86,67.32 79.11,65.57 79.11,60.61 65.02,46.52
FIRE_DEPLOY1_A: length 97.3
  Top w0.152: U18.42 67.16,54.5 69.03,54.5 69.46,54.07 69.46,53.22 70.31,52.37 73.06,52.37 77.46,47.97 v3(77.46,47.37)
  Top w0.2: v3(39.91,10.47) 39.91,9.97 40.61,9.27 42.26,9.27 45.37,6.16 69.54,6.16 75.07,11.69 v2(75.07,14.17)
  In2.Cu w0.152: v2(75.07,14.17) 75.07,14.67 75.07,15.49 79.83,20.24 79.83,37.15 80.66,37.98 80.66,44.82 78.11,47.36 77.79,47.36 77.78,47.37 v3(77.46,47.37)
  Bottom w0.152: v3(39.91,10.47) 39.91,10.54 40.62,11.25 41.99,11.25 U25.4
FIRE_DEPLOY1_B: length 4.6
  Top w0.152: U18.43 67.37,54.85 69.18,54.85 70.23,53.8 R104.2
FIRE_DEPLOY2_B: length 3
  Top w0.152: U9.23 47.53,51.55 v3(47.56,51.57)
  Bottom w0.152: R103.2 47.56,50.9 v3(47.56,51.57)
Heater Output: length 36.4
  In2.Cu w0.635: v3(37.76,17.57) 36.36,17.57 v3(36.26,17.47) 36.26,18.05 25.03,29.27 20.86,29.27 17.16,32.97 15.16,32.97